# Altium PCB 0020-03_FFT2G.PcbDoc (part 2 of 16) (continued)
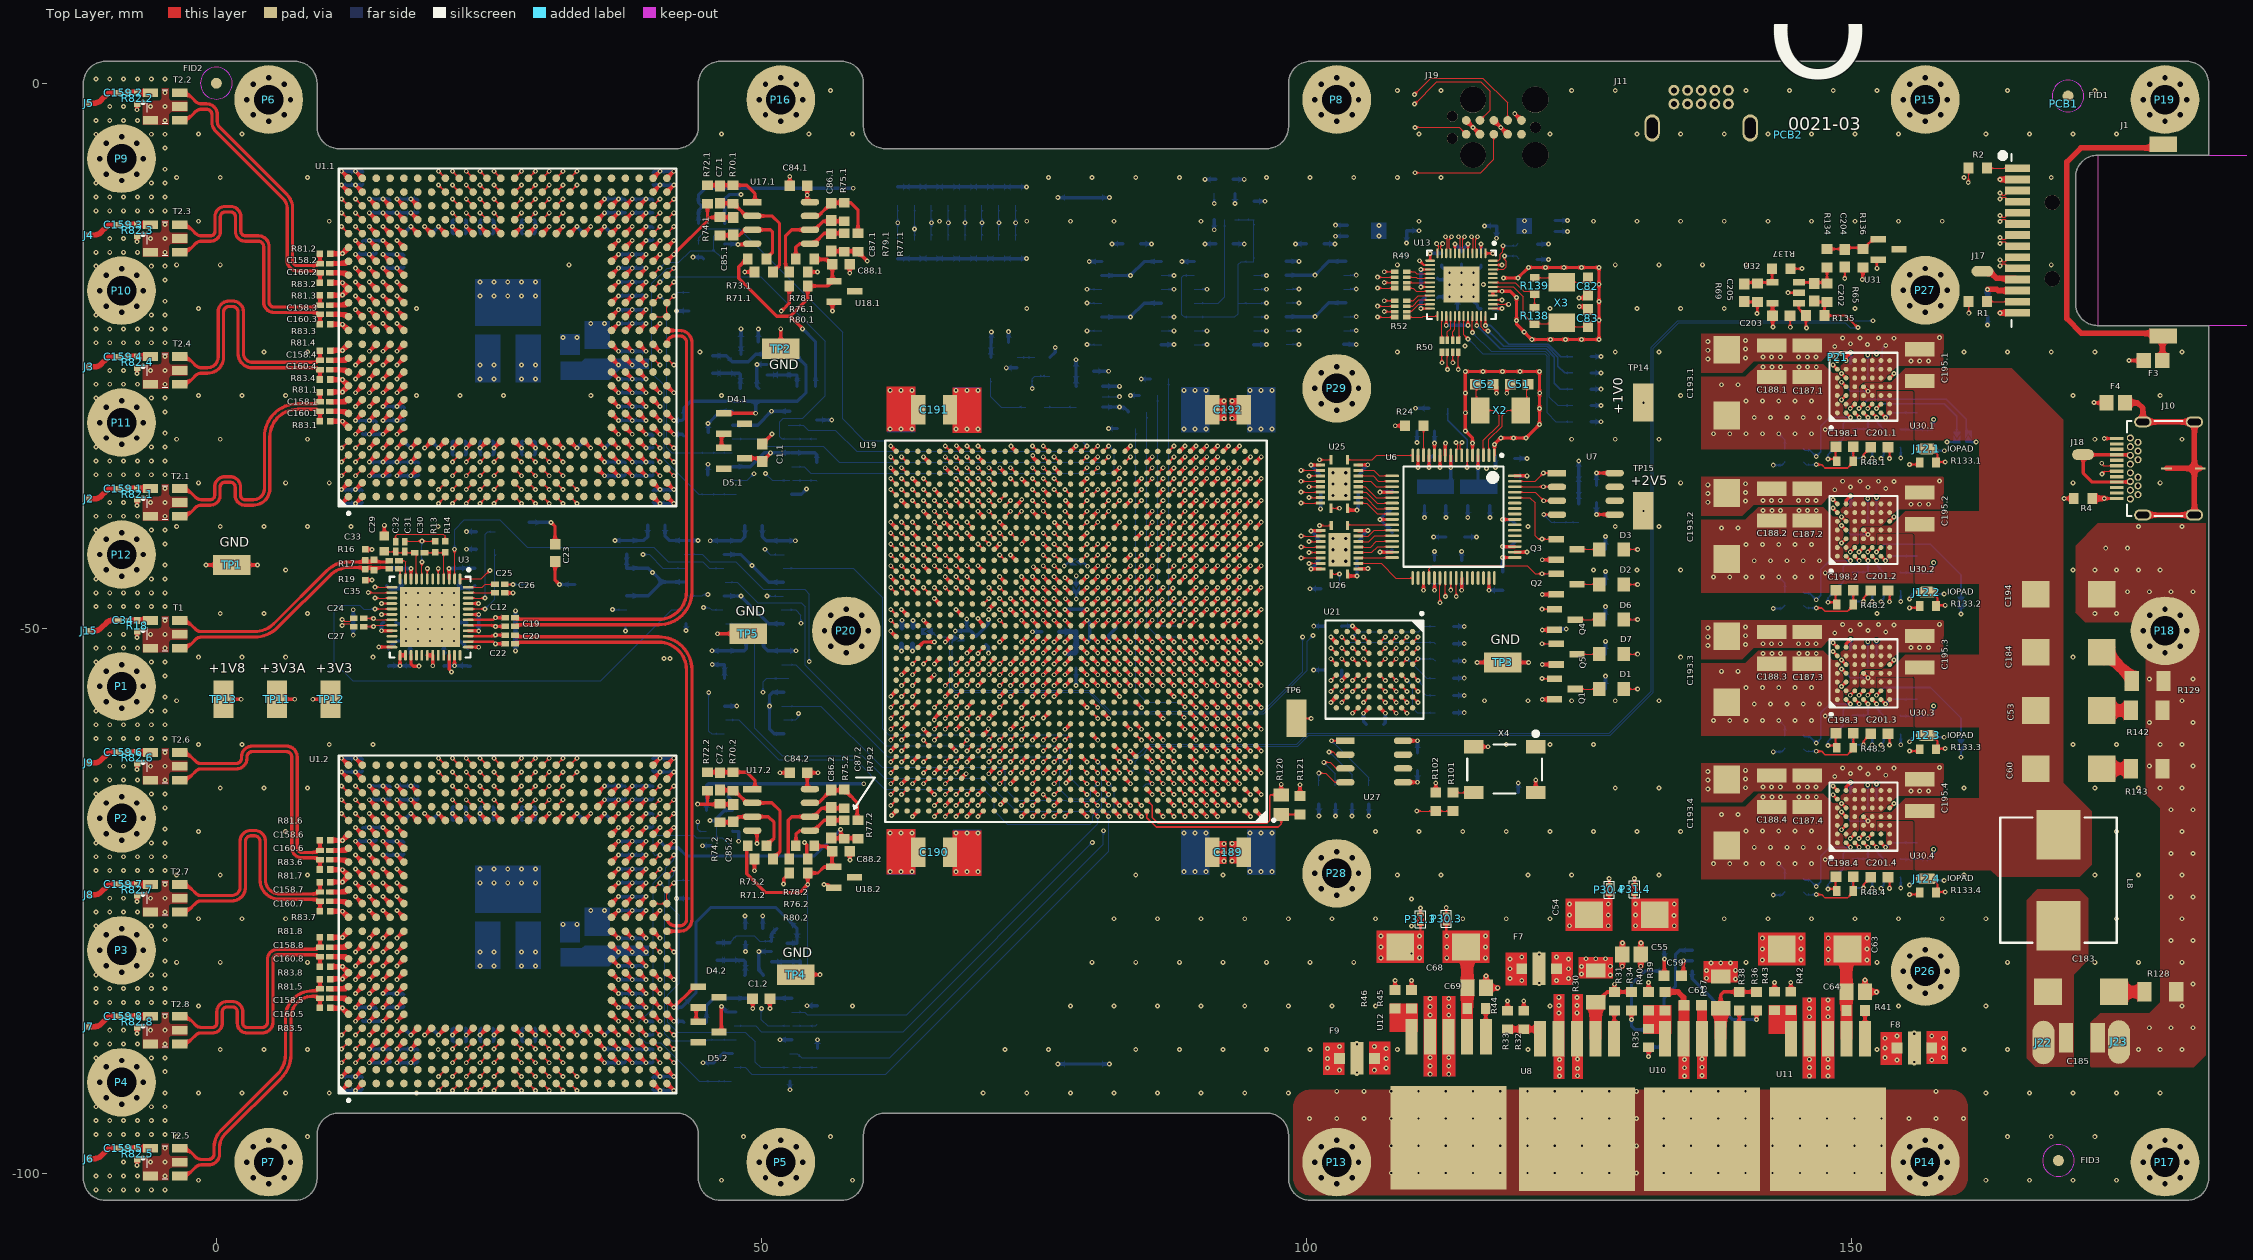
[diagram p0: Top Layer view]
## Components (designator, comment, footprint, x,y, rotation, side; value= is the part's Value field where it differs from the comment) (continued)
R81.2 "51R 1% 0402" RESC1005L 9.965,-15.647 r180 top value=51 (schematic designator R81)
R81.3 "51R 1% 0402" RESC1005L 9.965,-19.457 r180 top value=51 (schematic designator R81)
R81.4 "51R 1% 0402" RESC1005L 9.965,-24.537 r180 top value=51 (schematic designator R81)
R81.5 "51R 1% 0402" RESC1005L 9.965,-82.203 r180 top value=51 (schematic designator R81)
R81.6 "51R 1% 0402" RESC1005L 9.965,-69.455 r180 top value=51 (schematic designator R81)
R81.7 "51R 1% 0402" RESC1005L 9.964,-73.296 r180 top value=51 (schematic designator R81)
R81.8 "51R 1% 0402" RESC1005L 9.964,-78.376 r180 top value=51 (schematic designator R81)
R82.1 "51R 1% 0402" RESC1005L -7.273,-37.693 r270 top value=51 (schematic designator R82)
R82.2 "51R 1% 0402" RESC1005L -7.273,-1.37 r270 top value=51 (schematic designator R82)
R82.3 "51R 1% 0402" RESC1005L -7.273,-13.478 r270 top value=51 (schematic designator R82)
R82.4 "51R 1% 0402" RESC1005L -7.273,-25.585 r270 top value=51 (schematic designator R82)
R82.5 "51R 1% 0402" RESC1005L -7.273,-98.228 r270 top value=51 (schematic designator R82)
R82.6 "51R 1% 0402" RESC1005L -7.273,-61.907 r270 top value=51 (schematic designator R82)
R82.7 "51R 1% 0402" RESC1005L -7.273,-74.014 r270 top value=51 (schematic designator R82)
R82.8 "51R 1% 0402" RESC1005L -7.273,-86.121 r270 top value=51 (schematic designator R82)
R83.1 "51R 1% 0402" RESC1005L 9.965,-30.997 r0 top value=51 (schematic designator R83)
R83.2 "51R 1% 0402" RESC1005L 9.965,-18.297 r0 top value=51 (schematic designator R83)
R83.3 "51R 1% 0402" RESC1005L 9.965,-22.107 r0 top value=51 (schematic designator R83)
R83.4 "51R 1% 0402" RESC1005L 9.965,-27.187 r0 top value=51 (schematic designator R83)
R83.5 "51R 1% 0402" RESC1005L 9.965,-84.853 r0 top value=51 (schematic designator R83)
R83.6 "51R 1% 0402" RESC1005L 9.965,-72.147 r0 top value=51 (schematic designator R83)
R83.7 "51R 1% 0402" RESC1005L 9.964,-75.979 r0 top value=51 (schematic designator R83)
R83.8 "51R 1% 0402" RESC1005L 9.964,-81.059 r0 top value=51 (schematic designator R83)
R84 "4K7 1% 0603" RESC1608N 73.343,-15.246 r90 bottom
R85 "4K7 1% 0603" RESC1608N 71.797,-15.246 r90 bottom
R86 "4K7 1% 0603" RESC1608N 70.251,-15.246 r90 bottom
R87 "4K7 1% 0603" RESC1608N 68.705,-15.246 r90 bottom
R88 "4K7 1% 0603" RESC1608N 67.16,-15.246 r90 bottom
R89 "4K7 1% 0603" RESC1608N 65.614,-15.246 r90 bottom
R90 "4K7 1% 0603" RESC1608N 64.068,-15.246 r90 bottom
R91 "4K7 1% 0603" RESC1608N 62.522,-15.246 r90 bottom
R92 "4K7 1% 0603" RESC1608N 73.343,-10.359 r270 bottom
R93 "4K7 1% 0603" RESC1608N 71.797,-10.359 r270 bottom
R94 "4K7 1% 0603" RESC1608N 70.251,-10.359 r270 bottom
R95 "4K7 1% 0603" RESC1608N 68.705,-10.359 r270 bottom
R96 "4K7 1% 0603" RESC1608N 67.16,-10.359 r270 bottom
R97 "4K7 1% 0603" RESC1608N 65.614,-10.359 r270 bottom
R98 "4K7 1% 0603" RESC1608N 64.068,-10.359 r270 bottom
R99 "4K7 1% 0603" RESC1608N 62.522,-10.359 r270 bottom
R100 "4K7 1% 0603" RESC1608N 95.212,-11.657 r90 bottom
R101 "150R 1% 0603" RESC1608N 113.454,-65.937 r270 top
R102 "470R 1% 0603" RESC1608N 111.889,-65.937 r270 top
R103 "4K7 1% 0603" RESC1608N 112.674,-56.175 r180 bottom
R104 "4K7 1% 0603" RESC1608N 112.674,-49.841 r180 bottom
R105 "4K7 1% 0603" RESC1608N 112.674,-51.424 r180 bottom
R106 "4K7 1% 0603" RESC1608N 112.674,-54.592 r180 bottom
R107 "4K7 1% 0603" RESC1608N 112.674,-57.759 r180 bottom
R108 "4K7 1% 0603" RESC1608N 112.674,-53.008 r180 bottom
R109 "200R 1% 0603" RESC1608N 128.306,-49.21 r180 bottom
R110 "330R 1% 0603" RESC1608N 122.771,-49.222 r90 bottom
R111 "4K7 1% 0603" RESC1608N 83.516,-31.684 r180 bottom
R112 "4K7 1% 0603" RESC1608N 122.771,-52.397 r90 bottom
R113 "0R0 Jumper 0603" RESC1608N 84.524,-30.169 r0 bottom
R114 "0R0 Jumper 0603" RESC1608N 75.134,-29.713 r0 bottom
R115 "0R0 Jumper 0603" RESC1608N 86.539,-27.138 r0 bottom
R116 "15K 1% 0603" RESC1608N 75.09,-26.016 r270 bottom
R117 "0R0 Jumper 0603" RESC1608N 85.531,-28.653 r0 bottom
R118 "47K 1% 0603" RESC1608N 76.487,-26.016 r270 bottom
R119 "200R 1% 0603" RESC1608N 128.306,-52.389 r0 bottom
R120 "10K 0805 1% NTC" RESC2012N 97.706,-66.196 r270 top
R121 "560K 1% 0603" RESC1608N 99.433,-66.246 r270 top
R122 "100R 1% 0603" RESC1608N 85.048,-63.784 r270 bottom
R123 "4K7 1% 0603" RESC1608N 102.172,-46.385 r180 bottom value=4.7k
R124 "10K 1% 0603" RESC1608N 101.156,-65.301 r270 bottom value=10k
R125 "10K 1% 0603" RESC1608N 105.738,-65.301 r90 bottom value=10k
R126 "10K 1% 0603" RESC1608N 104.211,-65.301 r90 bottom value=10k
R127 "10K 1% 0603" RESC1608N 102.683,-65.301 r90 bottom value=10k
R128 "0R5 1% 1206" RESC3216N 178.375,-83.375 r0 top
R129 "0R5 1% 1206" RESC3216N 177.2,-54.85 r0 top
R130.1 "R 1% 0603" RESC1608N 156.024,-32.574 r270 bottom value=1G (schematic designator R130)
R130.2 "R 1% 0603" RESC1608N 156.024,-45.723 r270 bottom value=1G (schematic designator R130)
R130.3 "R 1% 0603" RESC1608N 156.024,-58.872 r270 bottom value=1G (schematic designator R130)
R130.4 "R 1% 0603" RESC1608N 156.024,-72.021 r270 bottom value=1G (schematic designator R130)
R131.1 "R 1% 0603" RESC1608N 154.5,-32.574 r90 bottom value=1G (schematic designator R131)
R131.2 "R 1% 0603" RESC1608N 154.5,-45.723 r90 bottom value=1G (schematic designator R131)
R131.3 "R 1% 0603" RESC1608N 154.5,-58.872 r90 bottom value=1G (schematic designator R131)
R131.4 "R 1% 0603" RESC1608N 154.5,-72.021 r90 bottom value=1G (schematic designator R131)
R132.1 "R 1% 0603" RESC1608N 150.092,-32.574 r90 bottom value=1G (schematic designator R132)
R132.2 "R 1% 0603" RESC1608N 150.092,-45.723 r90 bottom value=1G (schematic designator R132)
R132.3 "R 1% 0603" RESC1608N 150.092,-58.872 r90 bottom value=1G (schematic designator R132)
R132.4 "R 1% 0603" RESC1608N 150.092,-72.021 r90 bottom value=1G (schematic designator R132)
R133.1 "10K 1% 0603" RESC1608L 157.039,-34.813 r180 top value=10k (schematic designator R133)
R133.2 "10K 1% 0603" RESC1608L 157.039,-47.962 r180 top value=10k (schematic designator R133)
R133.3 "10K 1% 0603" RESC1608L 157.039,-61.112 r180 top value=10k (schematic designator R133)
R133.4 "10K 1% 0603" RESC1608L 157.039,-74.261 r180 top value=10k (schematic designator R133)
R134 "120K 1% 0603" RESC1608N 147.787,-16.06 r270 top
R135 "1K0 1% 0603" RESC1608N 146.7,-21.325 r180 top
R136 "1K0 1% 0603" RESC1608N 151.076,-16.049 r270 top
R137 "120K 1% 0603" RESC1608N 143.6,-17.025 r180 top
R138 "1M0 1% 0603" RESC1608L 120.95,-21.35 r270 top
R139 "39R 1% 0603" RESC1608L 120.975,-18.6 r90 top
R142 "0R5 1% 1206" RESC3216N 177.125,-57.55 r0 top
R143 "0R5 1% 1206" RESC3216N 177.125,-62.907 r0 top
R144.1 "10R 1% 0603" RESC1608N 144.775,-33.55 r180 bottom value=10 (schematic designator R144)
R144.2 "10R 1% 0603" RESC1608N 144.775,-46.699 r180 bottom value=10 (schematic designator R144)
R144.3 "10R 1% 0603" RESC1608N 144.775,-59.848 r180 bottom value=10 (schematic designator R144)
R144.4 "10R 1% 0603" RESC1608N 144.775,-72.997 r180 bottom value=10 (schematic designator R144)
R145.1 "10R 1% 0603" RESC1608N 144.775,-34.75 r180 bottom value=10 (schematic designator R145)
R145.2 "10R 1% 0603" RESC1608N 144.775,-47.899 r180 bottom value=10 (schematic designator R145)
R145.3 "10R 1% 0603" RESC1608N 144.775,-61.048 r180 bottom value=10 (schematic designator R145)
R145.4 "10R 1% 0603" RESC1608N 144.775,-74.197 r180 bottom value=10 (schematic designator R145)
T1 "ETC1-1-13TR" SOTFL50P160X73-3N -4.7,-50.57 r0 top
T2.1 "ETC1-1-13TR" SOTFL50P160X73-3N -4.7,-38.463 r0 top (schematic designator T2)
T2.2 "ETC1-1-13TR" SOTFL50P160X73-3N -4.7,-2.14 r0 top (schematic designator T2)
T2.3 "ETC1-1-13TR" SOTFL50P160X73-3N -4.7,-14.248 r0 top (schematic designator T2)
T2.4 "ETC1-1-13TR" SOTFL50P160X73-3N -4.7,-26.355 r0 top (schematic designator T2)
T2.5 "ETC1-1-13TR" SOTFL50P160X73-3N -4.7,-98.998 r0 top (schematic designator T2)
T2.6 "ETC1-1-13TR" SOTFL50P160X73-3N -4.7,-62.677 r0 top (schematic designator T2)
T2.7 "ETC1-1-13TR" SOTFL50P160X73-3N -4.7,-74.784 r0 top (schematic designator T2)
T2.8 "ETC1-1-13TR" SOTFL50P160X73-3N -4.7,-86.891 r0 top (schematic designator T2)
TP1 "S1751-46" S1751-46 1.414,-44.207 r0 top
TP2 "S1751-46" S1751-46 51.796,-24.369 r0 top
TP3 "S1751-46" S1751-46 118.051,-53.148 r0 top
TP4 "S1751-46" S1751-46 53.165,-81.799 r0 top
TP5 "S1751-46" S1751-46 48.785,-50.512 r0 top
TP6 "S1751-46" S1751-46 99.121,-58.28 r90 top
TP7 "S1751-46" S1751-46 1.414,-44.207 r180 bottom
TP8 "S1751-46" S1751-46 79.57,-90 r180 bottom
TP9 "S1751-46" S1751-46 79.57,-10.5 r180 bottom
TP10 "S1751-46" S1751-46 118.051,-53.148 r180 bottom
TP11 "S1751-46" S1751-46 5.562,-56.526 r90 top
TP12 "S1751-46" S1751-46 10.472,-56.526 r90 top
TP13 "S1751-46" S1751-46 0.652,-56.526 r90 top
TP14 "S1751-46" S1751-46 130.925,-29.3 r90 top
TP15 "S1751-46" S1751-46 130.925,-39.242 r90 top
U1.1 "EV10AQ190AVTPY" BGA380C127P24X24_3100X3100X160 26.733,-23.322 r90 top (schematic designator U1)
U1.2 "EV10AQ190AVTPY" BGA380C127P24X24_3100X3100X160 26.733,-77.178 r90 top (schematic designator U1)
U2 "SN74AHC125D" SOIC127P600X175-14N 40.373,-45.764 r180 bottom
U3 "AD9518-1ABCPZ" ADI-CP-48-8_M 19.606,-48.991 r270 top
U4 "SN74AHC125D" SOIC127P600X175-14N 49.348,-55.889 r180 bottom
U5 "SN74AHC125D" SOIC127P600X175-14N 49.298,-45.789 r180 bottom
U6 "FT2232HL" FTDI-LQFP-64_L 113.516,-39.775 r270 top
U7 "93AA46BT-I/SN" SOIC127P600X175-8N 125.653,-37.679 r0 top
U8 "LT1764AEQ" TO170P1394X457-6N 124.864,-93.864 r270 top
U9 "LMC7101BIM5/NOPB" SOT95P280X100-5N 134.138,-80.518 r180 bottom
U10 "LT1764AEQ" TO170P1394X457-6N 136.336,-93.864 r270 top
U11 "LT1764AEQ" TO170P1394X457-6N 147.864,-93.86 r270 top
U12 "LT1764AEQ" TO170P1394X457-6N 113.075,-93.7 r270 top
U13 "VSC8531XMW-05" QFN40P600X600X90_HS-49N 114.246,-18.486 r270 top
U14.1 "SN74AHC125D" SOIC127P600X175-14N 50.081,-33.914 r180 bottom (schematic designator U14)
U14.2 "SN74AHC125D" SOIC127P600X175-14N 50.081,-87.77 r180 bottom (schematic designator U14)
U15.1 "74AHC1G125" SOT95P280X100-5N 45.445,-13.814 r180 bottom (schematic designator U15)
U15.2 "74AHC1G125" SOT95P280X100-5N 46.165,-67.67 r180 bottom (schematic designator U15)
U16.1 "LTC2050HVIS5#TRMPBF" SOT95P280X100-5N 49.331,-25.814 r180 bottom (schematic designator U16)
U16.2 "LTC2050HVIS5#TRMPBF" SOT95P280X100-5N 49.731,-79.67 r180 bottom (schematic designator U16)
U17.1 "LT1638IS8#PBF" SOIC127P600X175-8N 51.815,-12.814 r0 top (schematic designator U17)
U17.2 "LT1638IS8#PBF" SOIC127P600X175-8N 51.815,-66.67 r0 top (schematic designator U17)
U18.1 "ADR512ARTZ-REEL7" SOT95P230X110-3N 57.62,-19.105 r0 top (schematic designator U18)
U18.2 "ADR512ARTZ-REEL7" SOT95P230X110-3N 57.595,-72.858 r0 top (schematic designator U18)
U19 "XC6VLX240T-2FFG1156I" FFG1156 78.875,-50.28 r180 top
U20 "SN74AHC125D" SOIC127P600X175-14N 92.469,-20.179 r180 bottom
U21 "S29GL512S11DHIV23" BGA64C100P8X8_900X900X140 106.26,-53.812 r270 top
U22 "74AHC1G125" SOT95P280X100-5N 92.508,-11.318 r90 bottom
U23 "MAX825TEUK" SOT95P280X100-5N 72.267,-26.114 r180 bottom
U24 "74AHC1G125" SOT95P280X100-5N 80.099,-28.763 r180 bottom
U25 "TXB0108RGYR" TXB0108RGYR 103.04,-36.777 r270 top
U26 "TXB0108RGYR" TXB0108RGYR 103.049,-42.81 r270 top
U27 "93AA46BT-I/SN" SOIC127P600X175-8N 106.236,-62.241 r0 top
U28 "SN74AHC125D" SOIC127P600X175-14N 83.972,-20.178 r180 bottom
U29 "SN74AHC125D" SOIC127P600X175-14L 100.805,-20.154 r180 bottom
U30.1 "LTM4638IY#PBF" BGA49C80P7X7_625X625X536 151.135,-27.849 r90 top (schematic designator U30)
U30.2 "LTM4638IY#PBF" BGA49C80P7X7_625X625X536 151.135,-40.998 r90 top (schematic designator U30)
U30.3 "LTM4638IY#PBF" BGA49C80P7X7_625X625X536 151.135,-54.148 r90 top (schematic designator U30)
U30.4 "LTM4638IY#PBF" BGA49C80P7X7_625X625X536 151.135,-67.297 r90 top (schematic designator U30)
U31 "ADR512ARTZ-REEL7" SOT95P230X110-3N 153.45,-15.25 r0 top
U32 "LTC2050HVIS5#TRMPBF" SOT95P280X100-5N 144,-19.225 r180 top
X1 "DV75D-020.0M" DV75D 30.8,-43.144 r270 bottom
X2 "12MHz" XTAL_5x3.2MM 117.825,-30.025 r180 top
X3 "25MHz" XTAL_5x3.2MM 123.45,-20.125 r270 top
X4 "DV75D-020.0M" DV75D 118.209,-62.987 r180 top

## Footprints (in the part's own frame and the unit in brackets; to place one, negate y for a bottom-side part, rotate by r counter-clockwise, add the part's x,y. Pads: shape width x height; smd on the part's side, far side on the other; paste and mask are expansions set on the pad)
7498111120R-Footprint-1 [mm]
  rect 0.71x2.29 smd: 1(6.63,10.14) 2(5.61,10.14) 3(4.59,10.14) 4(3.57,10.14) 5(2.55,10.14) 6(1.53,10.14) 7(0.51,10.14) 8(-0.51,10.14) 9(-1.53,10.14) 10(-2.55,10.14) 11(-3.57,10.14) 12(-4.59,10.14) 13(-5.61,10.14) 14(-6.63,10.14)
  round 1.4 hole 1.4 unplated: MH1(-3.5,6.96) MH2(3.5,6.96)
  rect 1.4x2.54 smd: S1(-8.76,-3.24) S2(8.84,-3.24)
  Keep-Out Layer board cut-out: -7.81,-11.24 -7.81,2.73 7.81,2.73 7.81,-11.24
  silkscreen extent -7.93,10.7 8.05,11.75, body extent -9.07,-11.24 9.07,11.24, height 10.1
632723300011 [mm] "USB 3.1 Type C Receptacle Horizontal THR"
  rect 0.3x1.2 smd: A1(-2.75,5.93) A2(-2.25,5.93) A3(-1.75,5.93) A4(-1.25,5.93) A5(-0.75,5.93) A6(-0.25,5.93) A7(0.25,5.93) A8(0.75,5.93) A9(1.25,5.93) A10(1.75,5.93) A11(2.25,5.93) A12(2.75,5.93)
  round 0.65 hole 0.4: B1(2.8,4.68) B2(2.4,3.98) B3(1.6,3.98) B4(1.2,4.68) B5(0.8,3.98) B6(0.4,4.68) B7(-0.4,4.68) B8(-0.8,3.98) B9(-1.2,4.68) B10(-1.6,3.98) B11(-2.4,3.98) B12(-2.8,4.68) G1(2,4.68) G2(-2,4.68)
  oval 1x1.6 hole 0.6 slot 1.2 at 90 deg: Shell(-4.27,-1.2) Shell(-4.27,3.53) Shell(4.27,-1.2) Shell(4.27,3.53)
  rect 0.2x1 smd: Shell(0,1.35) Shell(0,-1.73)
  silkscreen extent -4.37,-0.1 4.34,5, body extent -4.37,-5.6 4.37,6.19, height 3.05
ADI-CP-48-8_M [mm] "QFN, 48-Leads, Body 7x7mm, Pitch 0.5mm, Thermal Pad 5.5x5.5mm, IPC Low Density"
  oval 1x0.25 smd: 1(-3.5,2.75) 2(-3.5,2.25) 3(-3.5,1.75) 4(-3.5,1.25) 5(-3.5,0.75) 6(-3.5,0.25) 7(-3.5,-0.25) 8(-3.5,-0.75) 9(-3.5,-1.25) 10(-3.5,-1.75) 11(-3.5,-2.25) 12(-3.5,-2.75) 25(3.5,-2.75) 26(3.5,-2.25) 27(3.5,-1.75) 28(3.5,-1.25) 29(3.5,-0.75) 30(3.5,-0.25) 31(3.5,0.25) 32(3.5,0.75) 33(3.5,1.25) 34(3.5,1.75) 35(3.5,2.25) 36(3.5,2.75)
  oval 0.25x1 smd: 13(-2.75,-3.5) 14(-2.25,-3.5) 15(-1.75,-3.5) 16(-1.25,-3.5) 17(-0.75,-3.5) 18(-0.25,-3.5) 19(0.25,-3.5) 20(0.75,-3.5) 21(1.25,-3.5) 22(1.75,-3.5) 23(2.25,-3.5) 24(2.75,-3.5) 37(2.75,3.5) 38(2.25,3.5) 39(1.75,3.5) 40(1.25,3.5) 41(0.75,3.5) 42(0.25,3.5) 43(-0.25,3.5) 44(-0.75,3.5) 45(-1.25,3.5) 46(-1.75,3.5) 47(-2.25,3.5) 48(-2.75,3.5)
  rect 5.5x5.5 smd: 49(0,0)
  silkscreen extent -4.47,-3.7 3.7,3.7, body extent -3.55,-3.55 3.55,3.55, height 1
BGA49C80P7X7_625X625X536 [mm] "BGA, 49-Leads, Body 6.25x6.25mmx5.36mm, Pitch 0.80mm"
  round 0.45 smd: A1(-2.4,2.4) A2(-1.6,2.4) A3(-0.8,2.4) A4(0,2.4) A5(0.8,2.4) A6(1.6,2.4) A7(2.4,2.4) B1(-2.4,1.6) B2(-1.6,1.6) B3(-0.8,1.6) B4(0,1.6) B5(0.8,1.6) B6(1.6,1.6) B7(2.4,1.6) C1(-2.4,0.8) C2(-1.6,0.8) C3(-0.8,0.8) C4(0,0.8) C5(0.8,0.8) C6(1.6,0.8) C7(2.4,0.8) D1(-2.4,0) D2(-1.6,0) D3(-0.8,0) D4(0,0) D5(0.8,0) D6(1.6,0) D7(2.4,0) E1(-2.4,-0.8) E2(-1.6,-0.8) E3(-0.8,-0.8) E4(0,-0.8) E5(0.8,-0.8) E6(1.6,-0.8) E7(2.4,-0.8) F1(-2.4,-1.6) F2(-1.6,-1.6) F3(-0.8,-1.6) F4(0,-1.6) F5(0.8,-1.6) F6(1.6,-1.6) F7(2.4,-1.6) G1(-2.4,-2.4) G2(-1.6,-2.4) G3(-0.8,-2.4) G4(0,-2.4) G5(0.8,-2.4) G6(1.6,-2.4) G7(2.4,-2.4)
  silkscreen extent -3.9,-3.13 3.13,3.13, body extent -3.12,-3.12 3.13,3.13, height 5.36
BGA64C100P8X8_900X900X140 [mm] "BGA, 64-Leads, Body 9.00x9.00mmx1.40mm, Pitch 1.00mm"
  round 0.5 smd: A1(-3.5,3.5) A2(-2.5,3.5) A3(-1.5,3.5) A4(-0.5,3.5) A5(0.5,3.5) A6(1.5,3.5) A7(2.5,3.5) A8(3.5,3.5) B1(-3.5,2.5) B2(-2.5,2.5) B3(-1.5,2.5) B4(-0.5,2.5) B5(0.5,2.5) B6(1.5,2.5) B7(2.5,2.5) B8(3.5,2.5) C1(-3.5,1.5) C2(-2.5,1.5) C3(-1.5,1.5) C4(-0.5,1.5) C5(0.5,1.5) C6(1.5,1.5) C7(2.5,1.5) C8(3.5,1.5) D1(-3.5,0.5) D2(-2.5,0.5) D3(-1.5,0.5) D4(-0.5,0.5) D5(0.5,0.5) D6(1.5,0.5) D7(2.5,0.5) D8(3.5,0.5) E1(-3.5,-0.5) E2(-2.5,-0.5) E3(-1.5,-0.5) E4(-0.5,-0.5) E5(0.5,-0.5) E6(1.5,-0.5) E7(2.5,-0.5) E8(3.5,-0.5) F1(-3.5,-1.5) F2(-2.5,-1.5) F3(-1.5,-1.5) F4(-0.5,-1.5) F5(0.5,-1.5) F6(1.5,-1.5) F7(2.5,-1.5) F8(3.5,-1.5) G1(-3.5,-2.5) G2(-2.5,-2.5) G3(-1.5,-2.5) G4(-0.5,-2.5) G5(0.5,-2.5) G6(1.5,-2.5) G7(2.5,-2.5) G8(3.5,-2.5) H1(-3.5,-3.5) H2(-2.5,-3.5) H3(-1.5,-3.5) H4(-0.5,-3.5) H5(0.5,-3.5) H6(1.5,-3.5) H7(2.5,-3.5) H8(3.5,-3.5)
  silkscreen extent -5.27,-4.5 4.5,4.5, body extent -4.5,-4.5 4.5,4.5, height 1.4
BGA380C127P24X24_3100X3100X160 [mm] "BGA, 380-Leads, Body 31,0x31,0mm,  Pitch 1,27mm"
  round 0.7 smd: A1(-14.605,14.605) A2(-13.335,14.605) A3(-12.065,14.605) A4(-10.795,14.605) A5(-9.525,14.605) A6(-8.255,14.605) A7(-6.985,14.605) A8(-5.715,14.605) A9(-4.445,14.605) A10(-3.175,14.605) A11(-1.905,14.605) A12(-0.635,14.605) A13(0.635,14.605) A14(1.905,14.605) A15(3.175,14.605) A16(4.445,14.605) A17(5.715,14.605) A18(6.985,14.605) A19(8.255,14.605) A20(9.525,14.605) A21(10.795,14.605) A22(12.065,14.605) A23(13.335,14.605) A24(14.605,14.605) AA1(-14.605,-10.795) AA2(-13.335,-10.795) AA3(-12.065,-10.795) AA4(-10.795,-10.795) AA5(-9.525,-10.795) AA6(-8.255,-10.795) AA7(-6.985,-10.795) AA8(-5.715,-10.795) AA9(-4.445,-10.795) AA10(-3.175,-10.795) AA11(-1.905,-10.795) AA12(-0.635,-10.795) AA13(0.635,-10.795) AA14(1.905,-10.795) AA15(3.175,-10.795) AA16(4.445,-10.795) AA17(5.715,-10.795) AA18(6.985,-10.795) AA19(8.255,-10.795) AA20(9.525,-10.795) AA21(10.795,-10.795) AA22(12.065,-10.795) AA23(13.335,-10.795) AA24(14.605,-10.795) AB1(-14.605,-12.065) AB2(-13.335,-12.065) AB3(-12.065,-12.065) AB4(-10.795,-12.065) AB5(-9.525,-12.065) AB6(-8.255,-12.065) AB7(-6.985,-12.065) AB8(-5.715,-12.065) AB9(-4.445,-12.065) AB10(-3.175,-12.065) AB11(-1.905,-12.065) AB12(-0.635,-12.065) AB13(0.635,-12.065) AB14(1.905,-12.065) AB15(3.175,-12.065) AB16(4.445,-12.065) AB17(5.715,-12.065) AB18(6.985,-12.065) AB19(8.255,-12.065) AB20(9.525,-12.065) AB21(10.795,-12.065) AB22(12.065,-12.065) AB23(13.335,-12.065) AB24(14.605,-12.065) AC1(-14.605,-13.335) AC2(-13.335,-13.335) AC3(-12.065,-13.335) AC4(-10.795,-13.335) AC5(-9.525,-13.335) AC6(-8.255,-13.335) AC7(-6.985,-13.335) AC8(-5.715,-13.335) AC9(-4.445,-13.335) AC10(-3.175,-13.335) AC11(-1.905,-13.335) AC12(-0.635,-13.335) AC13(0.635,-13.335) AC14(1.905,-13.335) AC15(3.175,-13.335) AC16(4.445,-13.335) AC17(5.715,-13.335) AC18(6.985,-13.335) AC19(8.255,-13.335) AC20(9.525,-13.335) AC21(10.795,-13.335) AC22(12.065,-13.335) AC23(13.335,-13.335) AC24(14.605,-13.335) AD1(-14.605,-14.605) AD2(-13.335,-14.605) AD3(-12.065,-14.605) AD4(-10.795,-14.605) AD5(-9.525,-14.605) AD6(-8.255,-14.605) AD7(-6.985,-14.605) AD8(-5.715,-14.605) AD9(-4.445,-14.605) AD10(-3.175,-14.605) AD11(-1.905,-14.605) AD12(-0.635,-14.605) AD13(0.635,-14.605) AD14(1.905,-14.605) AD15(3.175,-14.605) AD16(4.445,-14.605) AD17(5.715,-14.605) AD18(6.985,-14.605) AD19(8.255,-14.605) AD20(9.525,-14.605) AD21(10.795,-14.605) AD22(12.065,-14.605) AD23(13.335,-14.605) AD24(14.605,-14.605) B1(-14.605,13.335) B2(-13.335,13.335) B3(-12.065,13.335) B4(-10.795,13.335) B5(-9.525,13.335) B6(-8.255,13.335) B7(-6.985,13.335) B8(-5.715,13.335) B9(-4.445,13.335) B10(-3.175,13.335) B11(-1.905,13.335) B12(-0.635,13.335) B13(0.635,13.335) B14(1.905,13.335) B15(3.175,13.335) B16(4.445,13.335) B17(5.715,13.335) B18(6.985,13.335) B19(8.255,13.335) B20(9.525,13.335) B21(10.795,13.335) B22(12.065,13.335) B23(13.335,13.335) B24(14.605,13.335) C1(-14.605,12.065) C2(-13.335,12.065) C3(-12.065,12.065) C4(-10.795,12.065) C5(-9.525,12.065) C6(-8.255,12.065) C7(-6.985,12.065) C8(-5.715,12.065) C9(-4.445,12.065) C10(-3.175,12.065) C11(-1.905,12.065) C12(-0.635,12.065) C13(0.635,12.065) C14(1.905,12.065) C15(3.175,12.065) C16(4.445,12.065) C17(5.715,12.065) C18(6.985,12.065) C19(8.255,12.065) C20(9.525,12.065) C21(10.795,12.065) C22(12.065,12.065) C23(13.335,12.065) C24(14.605,12.065) D1(-14.605,10.795) D2(-13.335,10.795) D3(-12.065,10.795) D4(-10.795,10.795) D5(-9.525,10.795) D6(-8.255,10.795) D7(-6.985,10.795) D8(-5.715,10.795) D9(-4.445,10.795) D10(-3.175,10.795) D11(-1.905,10.795) D12(-0.635,10.795) D13(0.635,10.795) D14(1.905,10.795) D15(3.175,10.795) D16(4.445,10.795) D17(5.715,10.795) D18(6.985,10.795) D19(8.255,10.795) D20(9.525,10.795) D21(10.795,10.795) D22(12.065,10.795) D23(13.335,10.795) D24(14.605,10.795) E1(-14.605,9.525) E2(-13.335,9.525) E3(-12.065,9.525) E4(-10.795,9.525) E5(-9.525,9.525) E6(-8.255,9.525) E7(-6.985,9.525) E8(-5.715,9.525) E9(-4.445,9.525) E10(-3.175,9.525) E11(-1.905,9.525) E12(-0.635,9.525) E13(0.635,9.525) E14(1.905,9.525) E15(3.175,9.525) E16(4.445,9.525) E17(5.715,9.525) E18(6.985,9.525) E19(8.255,9.525) E20(9.525,9.525) E21(10.795,9.525) E22(12.065,9.525) E23(13.335,9.525) E24(14.605,9.525) F1(-14.605,8.255) F2(-13.335,8.255) F3(-12.065,8.255) F4(-10.795,8.255) F5(-9.525,8.255) F20(9.525,8.255) F21(10.795,8.255) F22(12.065,8.255) F23(13.335,8.255) F24(14.605,8.255) G1(-14.605,6.985) G2(-13.335,6.985) G3(-12.065,6.985) G4(-10.795,6.985) G5(-9.525,6.985) G20(9.525,6.985) G21(10.795,6.985) G22(12.065,6.985) G23(13.335,6.985) G24(14.605,6.985) H1(-14.605,5.715) H2(-13.335,5.715) H3(-12.065,5.715) H4(-10.795,5.715) H5(-9.525,5.715) H20(9.525,5.715) H21(10.795,5.715) H22(12.065,5.715) H23(13.335,5.715) H24(14.605,5.715) J1(-14.605,4.445) J2(-13.335,4.445) J3(-12.065,4.445) J4(-10.795,4.445) J5(-9.525,4.445) J20(9.525,4.445) J21(10.795,4.445) J22(12.065,4.445) J23(13.335,4.445) J24(14.605,4.445) K1(-14.605,3.175) K2(-13.335,3.175) K3(-12.065,3.175) K4(-10.795,3.175) K5(-9.525,3.175) K20(9.525,3.175) K21(10.795,3.175) K22(12.065,3.175) K23(13.335,3.175) K24(14.605,3.175) L1(-14.605,1.905) L2(-13.335,1.905) L3(-12.065,1.905) L4(-10.795,1.905) L5(-9.525,1.905) L20(9.525,1.905) L21(10.795,1.905) L22(12.065,1.905) L23(13.335,1.905) L24(14.605,1.905) M1(-14.605,0.635) M2(-13.335,0.635) M3(-12.065,0.635) M4(-10.795,0.635) M5(-9.525,0.635) M20(9.525,0.635) M21(10.795,0.635) M22(12.065,0.635) M23(13.335,0.635) M24(14.605,0.635) N1(-14.605,-0.635) N2(-13.335,-0.635) N3(-12.065,-0.635) N4(-10.795,-0.635) N5(-9.525,-0.635) N20(9.525,-0.635) N21(10.795,-0.635) N22(12.065,-0.635) N23(13.335,-0.635) N24(14.605,-0.635) P1(-14.605,-1.905) P2(-13.335,-1.905) P3(-12.065,-1.905) P4(-10.795,-1.905) P5(-9.525,-1.905) P20(9.525,-1.905) P21(10.795,-1.905) P22(12.065,-1.905) P23(13.335,-1.905) P24(14.605,-1.905) R1(-14.605,-3.175) R2(-13.335,-3.175) R3(-12.065,-3.175) R4(-10.795,-3.175) R5(-9.525,-3.175) R20(9.525,-3.175) R21(10.795,-3.175) R22(12.065,-3.175) R23(13.335,-3.175) R24(14.605,-3.175) T1(-14.605,-4.445) T2(-13.335,-4.445) T3(-12.065,-4.445) T4(-10.795,-4.445) T5(-9.525,-4.445) T20(9.525,-4.445) T21(10.795,-4.445) T22(12.065,-4.445) T23(13.335,-4.445) T24(14.605,-4.445) U1(-14.605,-5.715) U2(-13.335,-5.715) U3(-12.065,-5.715) U4(-10.795,-5.715) U5(-9.525,-5.715) U20(9.525,-5.715) U21(10.795,-5.715) U22(12.065,-5.715) U23(13.335,-5.715) U24(14.605,-5.715) V1(-14.605,-6.985) V2(-13.335,-6.985) V3(-12.065,-6.985) V4(-10.795,-6.985) V5(-9.525,-6.985) V20(9.525,-6.985) V21(10.795,-6.985) V22(12.065,-6.985) V23(13.335,-6.985) V24(14.605,-6.985) W1(-14.605,-8.255) W2(-13.335,-8.255) W3(-12.065,-8.255) W4(-10.795,-8.255) W5(-9.525,-8.255) W20(9.525,-8.255) W21(10.795,-8.255) W22(12.065,-8.255) W23(13.335,-8.255) W24(14.605,-8.255) Y1(-14.605,-9.525) Y2(-13.335,-9.525) Y3(-12.065,-9.525) Y4(-10.795,-9.525) Y5(-9.525,-9.525) Y6(-8.255,-9.525) Y7(-6.985,-9.525) Y8(-5.715,-9.525) Y9(-4.445,-9.525) Y10(-3.175,-9.525) Y11(-1.905,-9.525) Y12(-0.635,-9.525) Y13(0.635,-9.525) Y14(1.905,-9.525) Y15(3.175,-9.525) Y16(4.445,-9.525) Y17(5.715,-9.525) Y18(6.985,-9.525) Y19(8.255,-9.525) Y20(9.525,-9.525) Y21(10.795,-9.525) Y22(12.065,-9.525) Y23(13.335,-9.525) Y24(14.605,-9.525)
  silkscreen extent -16.27,-15.5 15.5,15.5, body extent -15.5,-15.5 15.5,15.5, height 1.6
CAPC1005X06L [mm] "Chip Capacitor, 2-Leads, Body 1,0x0,5mm, IPC High Density"
  rect 0.7x0.5 smd: 1(-0.45,0) 2(0.45,0)
  body extent -0.5,-0.25 0.5,0.25, height 0.5
CAPC1005X55L [mm] "Chip Capacitor, 2-Leads, Body 1,0x0,5mm, IPC High Density"
  rect 0.7x0.5 smd: 1(-0.45,0) 2(0.45,0)
  body extent -0.5,-0.25 0.5,0.25, height 0.55
CAPC1005X55N [mm] "Chip Capacitor, 2-Leads, Body 1,0x0,5mm, IPC Medium Density"
  rect 0.9x0.6 smd: 1(-0.55,0) 2(0.55,0)
  body extent -0.5,-0.25 0.5,0.25, height 0.55
CAPC1608X90L [mm] "Chip Capacitor, 2-Leads, Body 1,6x0,8mm, IPC High Density"
  rect 0.8x0.85 smd: 1(-0.7,0) 2(0.7,0)
  body extent -0.8,-0.4 0.8,0.4, height 0.9
CAPC1608X90N [mm] "Chip Capacitor, 2-Leads, Body 1,6x0,8mm, IPC Medium Density"
  rect 1x0.95 smd: 1(-0.8,0) 2(0.8,0)
  body extent -0.8,-0.4 0.8,0.4, height 0.9
CAPC2012X145N [mm] "Chip Capacitor, 2-Leads, Body 2,0x1,3mm, IPC Medium Density"
  rect 1.3x1.5 smd: 1(-0.85,0) 2(0.85,0)
  body extent -1,-0.62 1,0.63, height 1.45
CAPC3225X270N [mm] "Chip Capacitor, 2-Leads, Body 3,2x2,5mm, IPC Medium Density"
  rect 1.3x2.7 smd: 1(-1.45,0) 2(1.45,0)
  body extent -1.6,-1.25 1.6,1.25, height 2.7
CAPMP3528X21N [mm] "Case B, Molded Capacitor, 2-Leads, Body 3.50x2.80mm, IPC Medium Density"
  rect 1.95x2.3 smd: 1(-1.375,0) 2(1.375,0)
  body extent -1.92,-1.5 1.92,1.5, height 2.12
CAPMP7343X43N [mm] "Case E, CAPMP7343X43N-Molded Capacitor, 2-Leads, Body 7.3x4.3mm, IPC Medium Density"
  rect 2.55x2.45 smd: 1(-3.025,0) 2(3.025,0)
  body extent -3.89,-2.33 3.89,2.33, height 3.92
DV75D [mm] "DV75D"
  rect 1.8x1.2 smd: 1(-2.85,-2.1) 2(2.85,-2.1) 3(2.85,2.1) 4(-2.85,2.1)
  silkscreen extent -3.44,-3.5 3.44,2.18, body extent -3.5,-2.5 3.5,2.5, height 2.4